# Altium PCB ReconProbe.PcbDoc (part 1 of 4)
Units mm, origin at the board's own origin, x right, y up, seen from the top; angles counter-clockwise.
Board outline 177 x 102.23 mm, 4 copper layers (Top Layer, Layer 2, Layer 3, Bottom Layer), stack 1.624 mm thick; 383 components, 277 nets, 1385 pads, 589 vias.
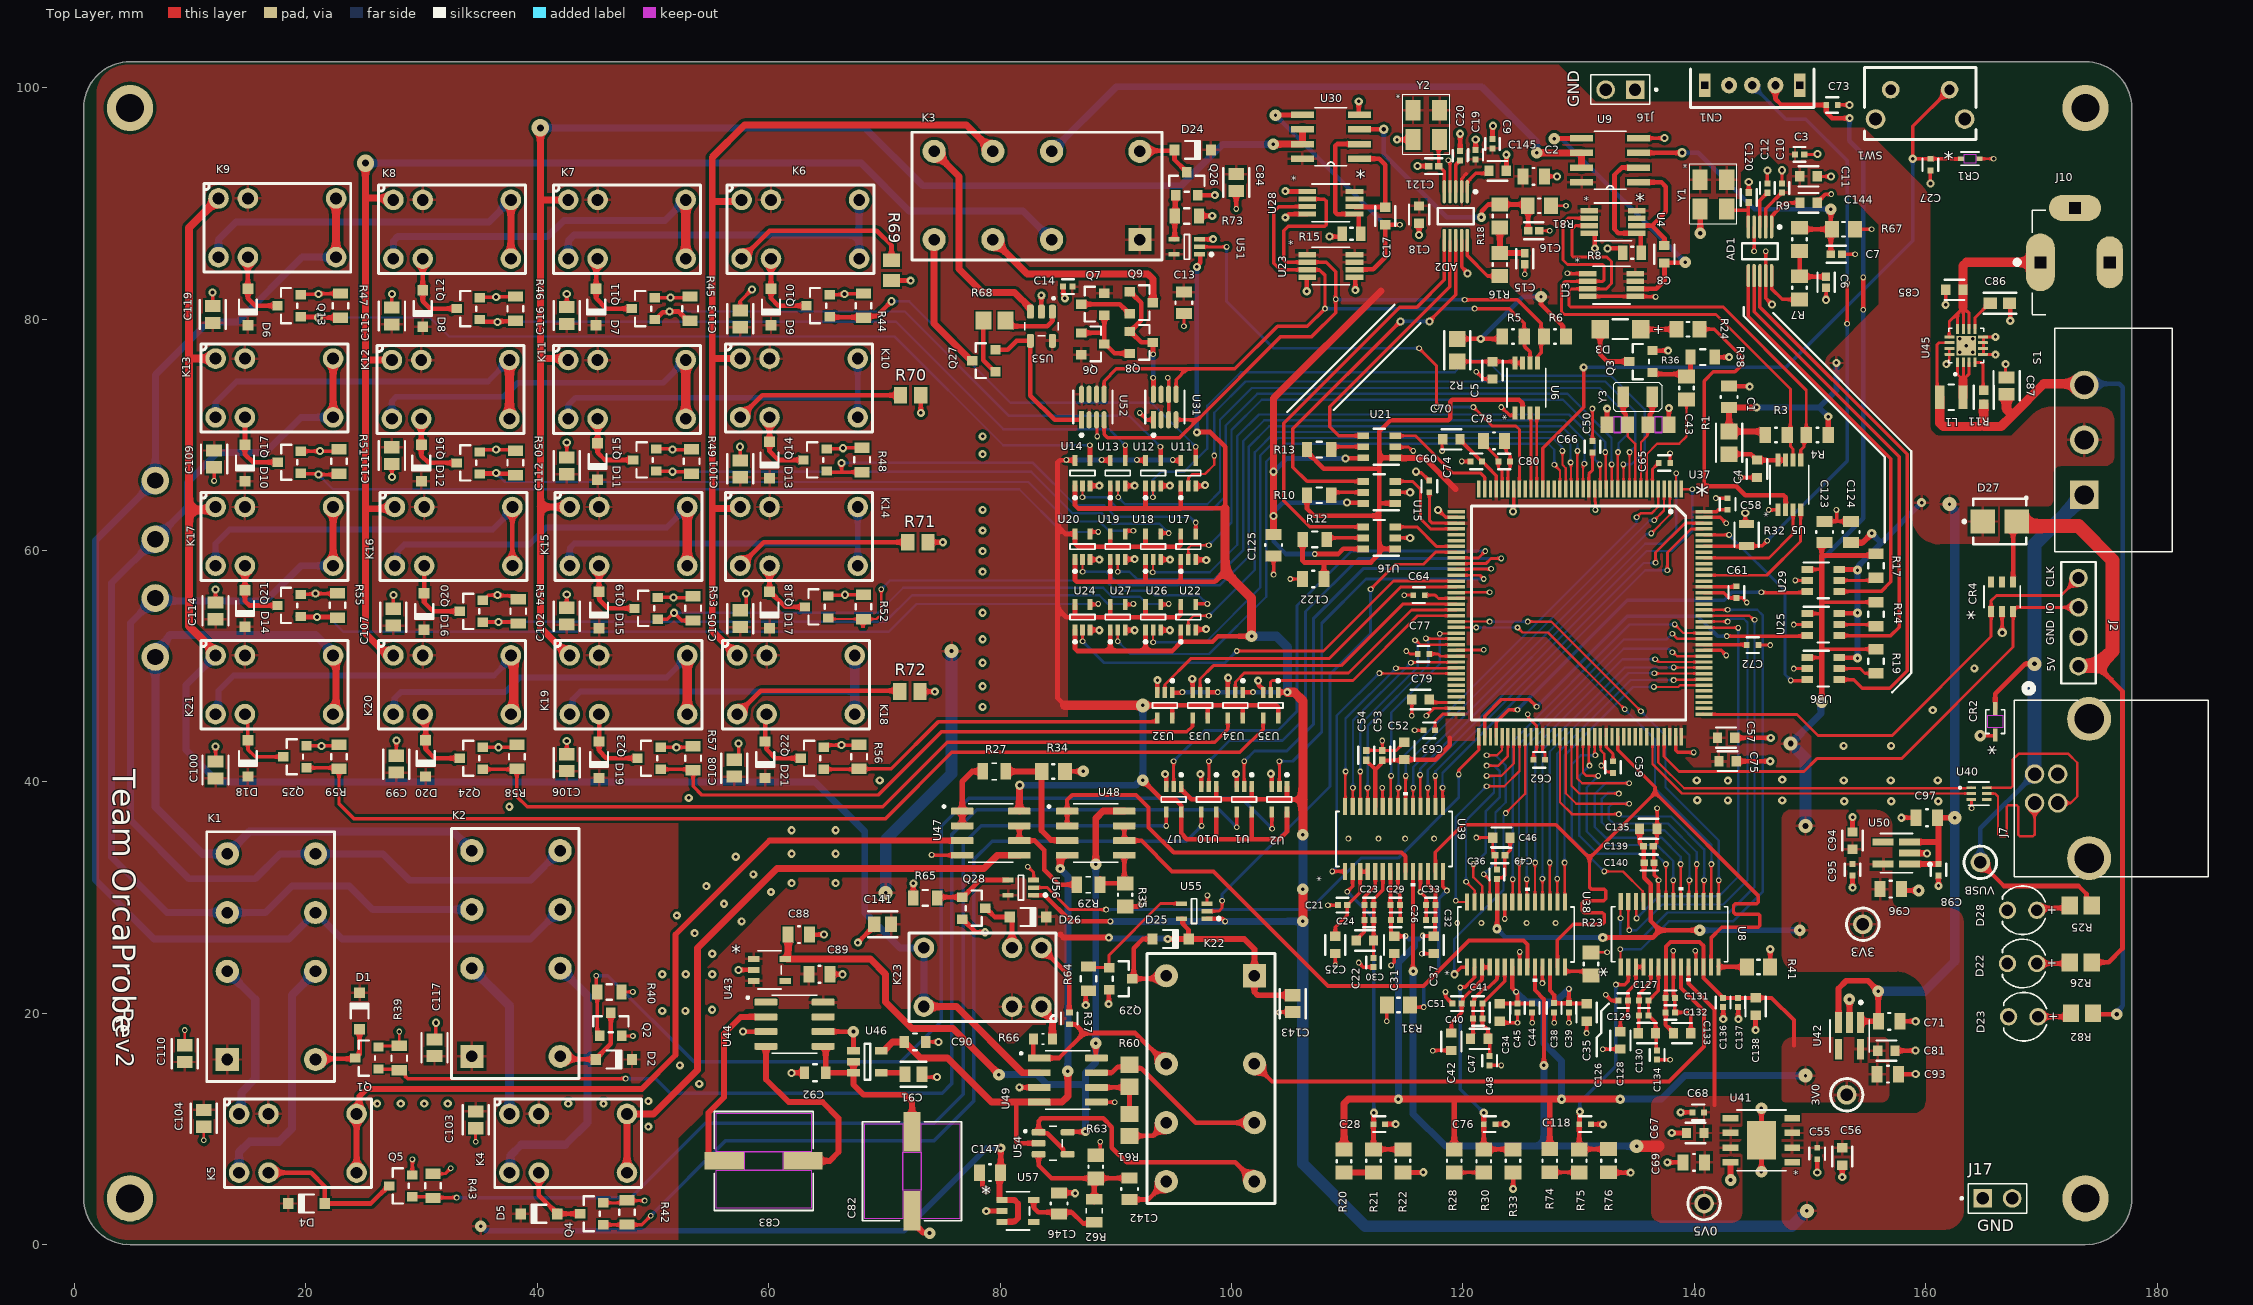
[diagram p0: Top Layer view]
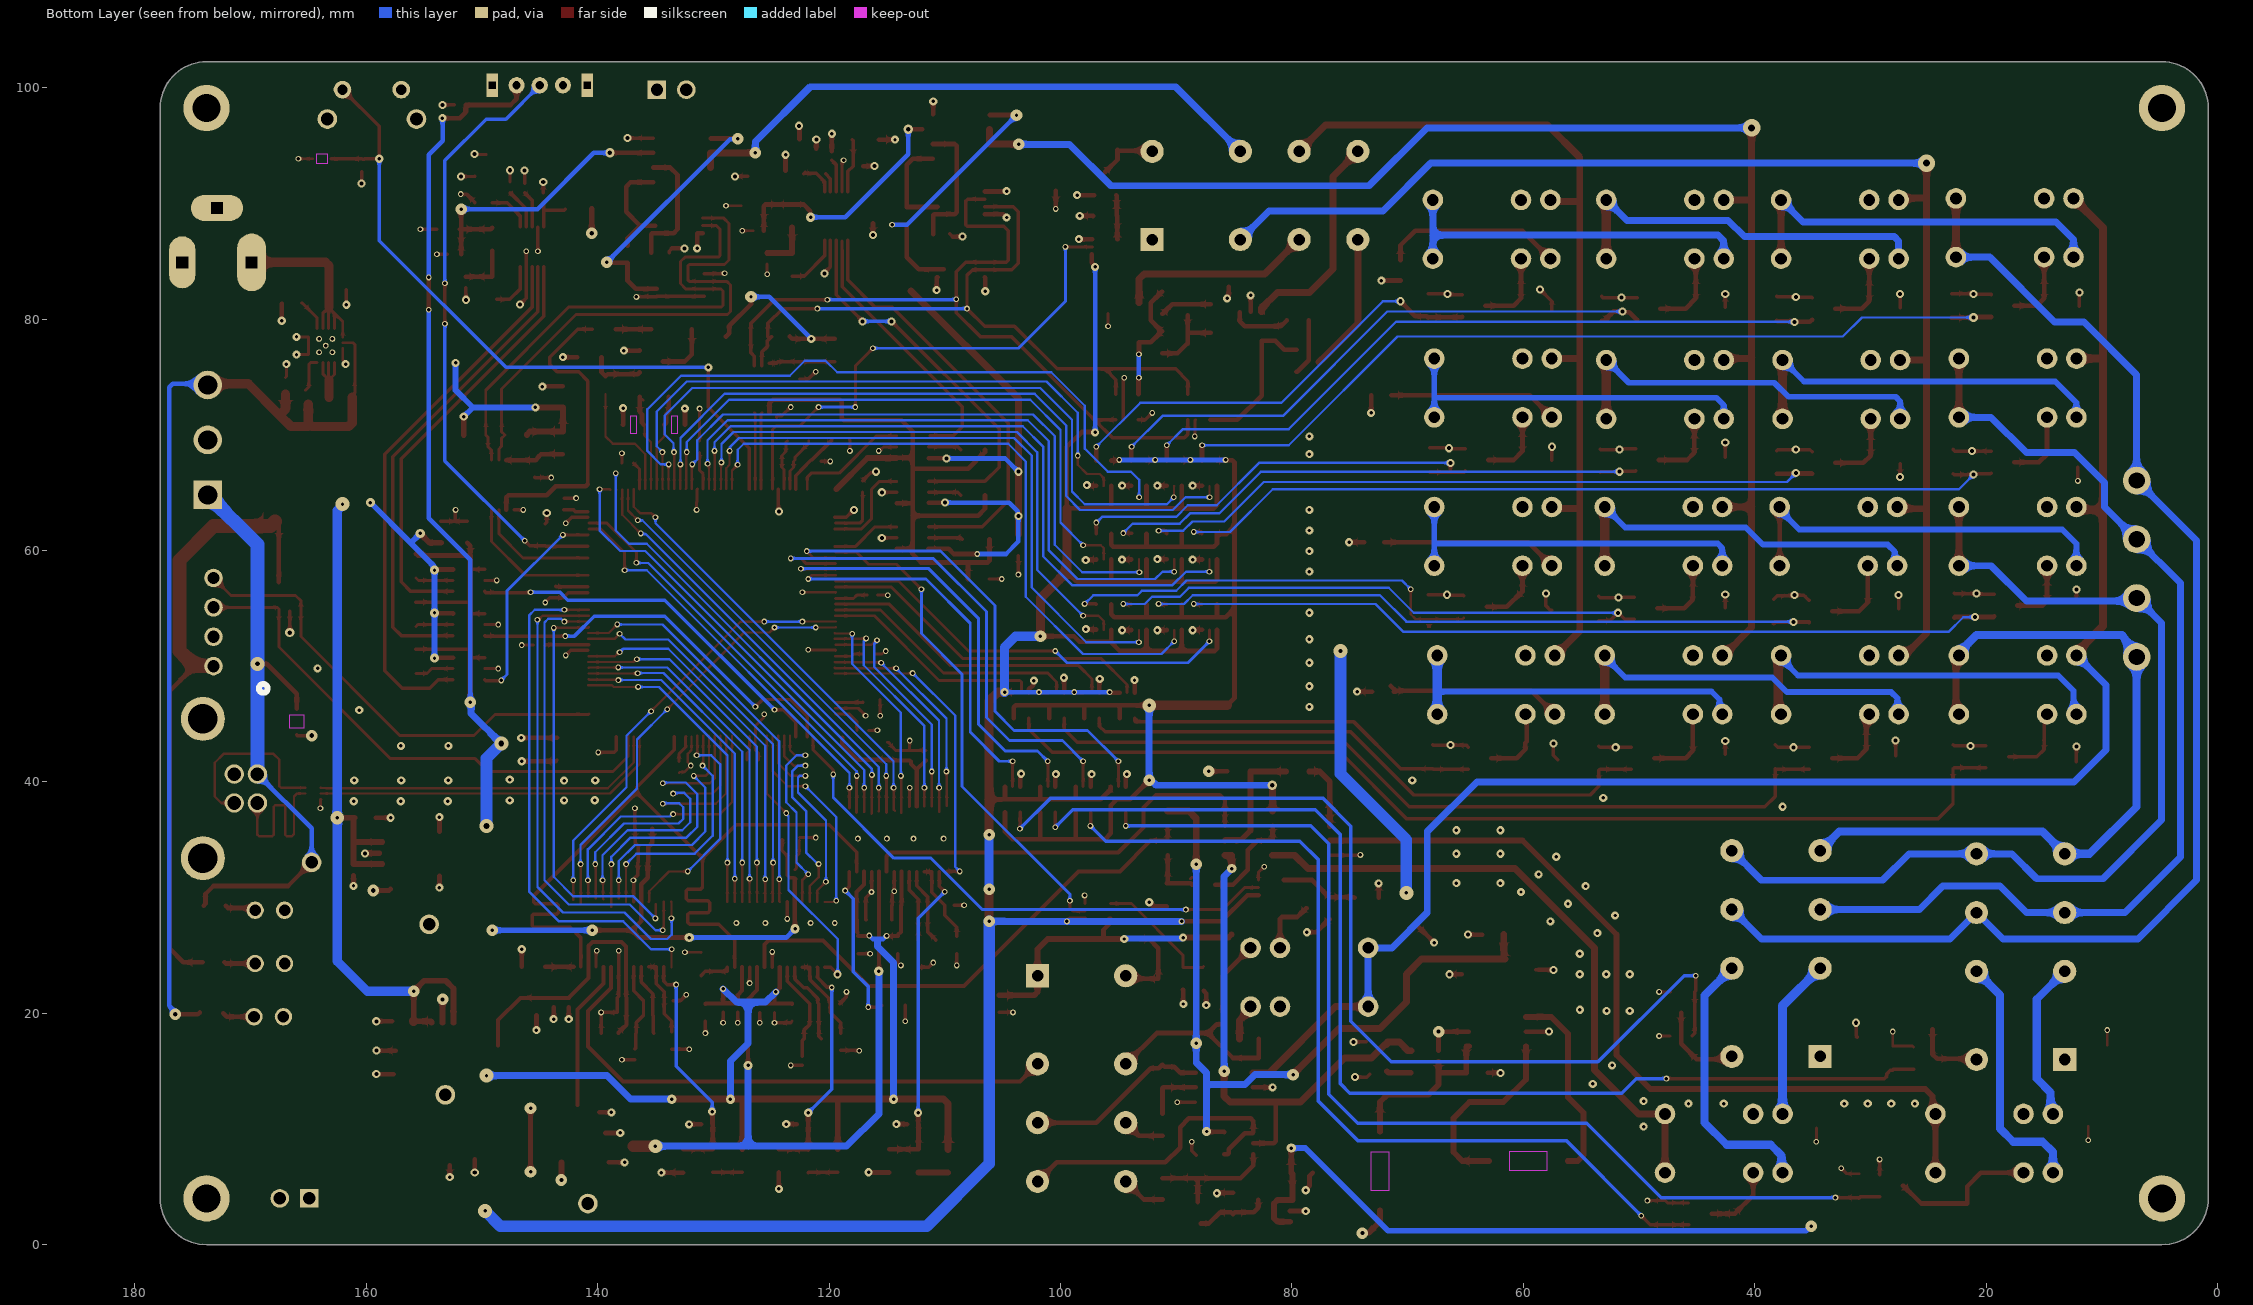
[diagram p1: Bottom Layer view, seen from below]
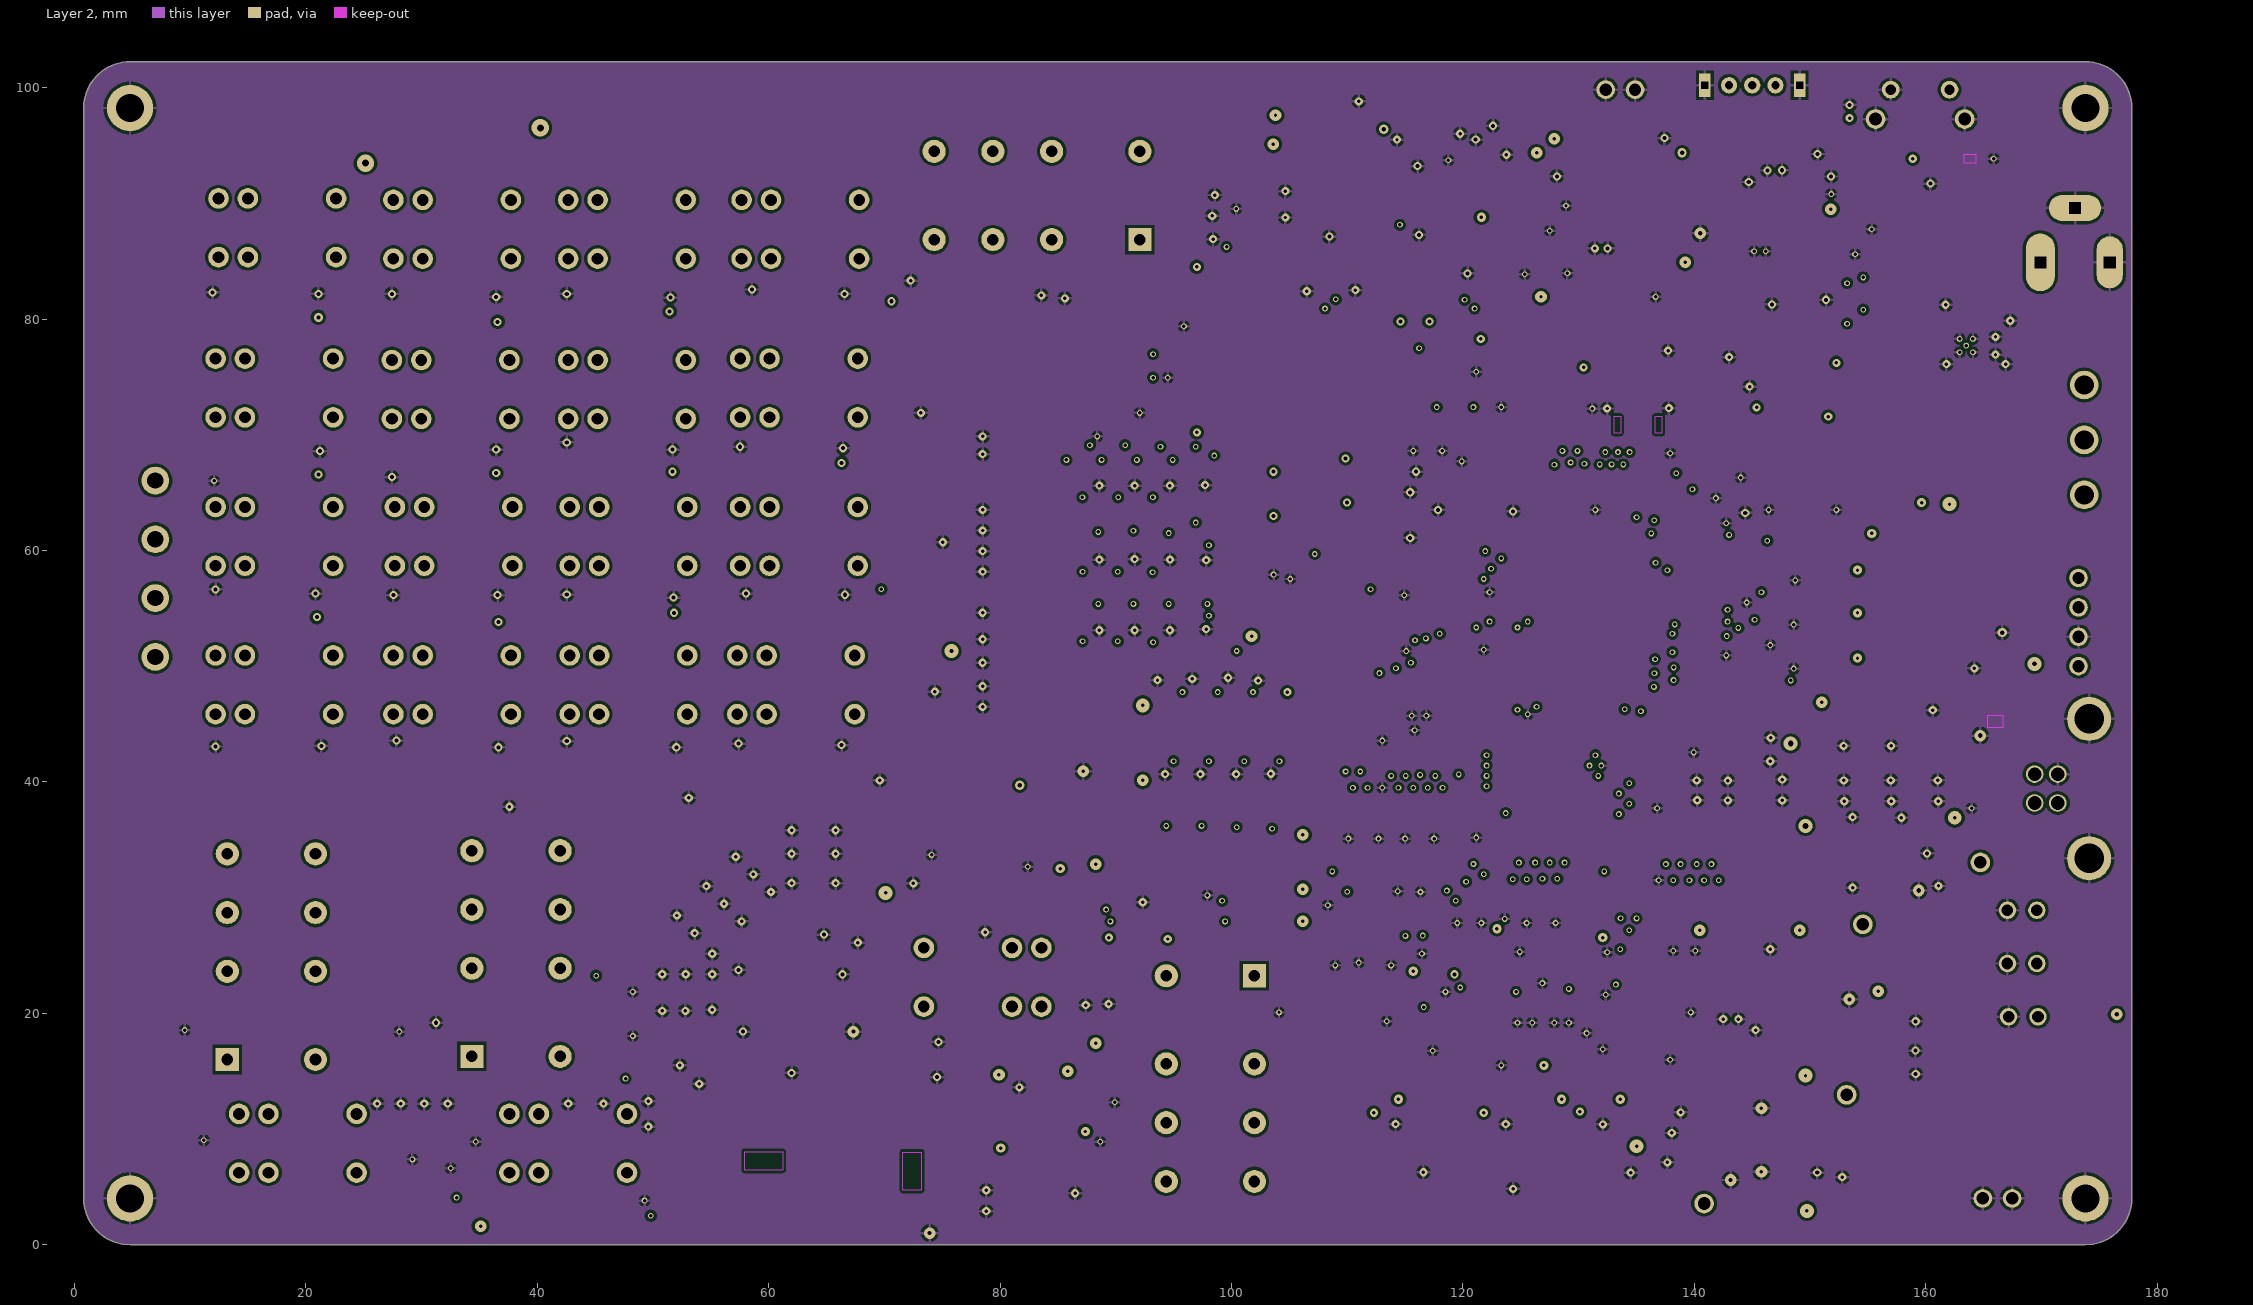
[diagram p2: Layer 2]
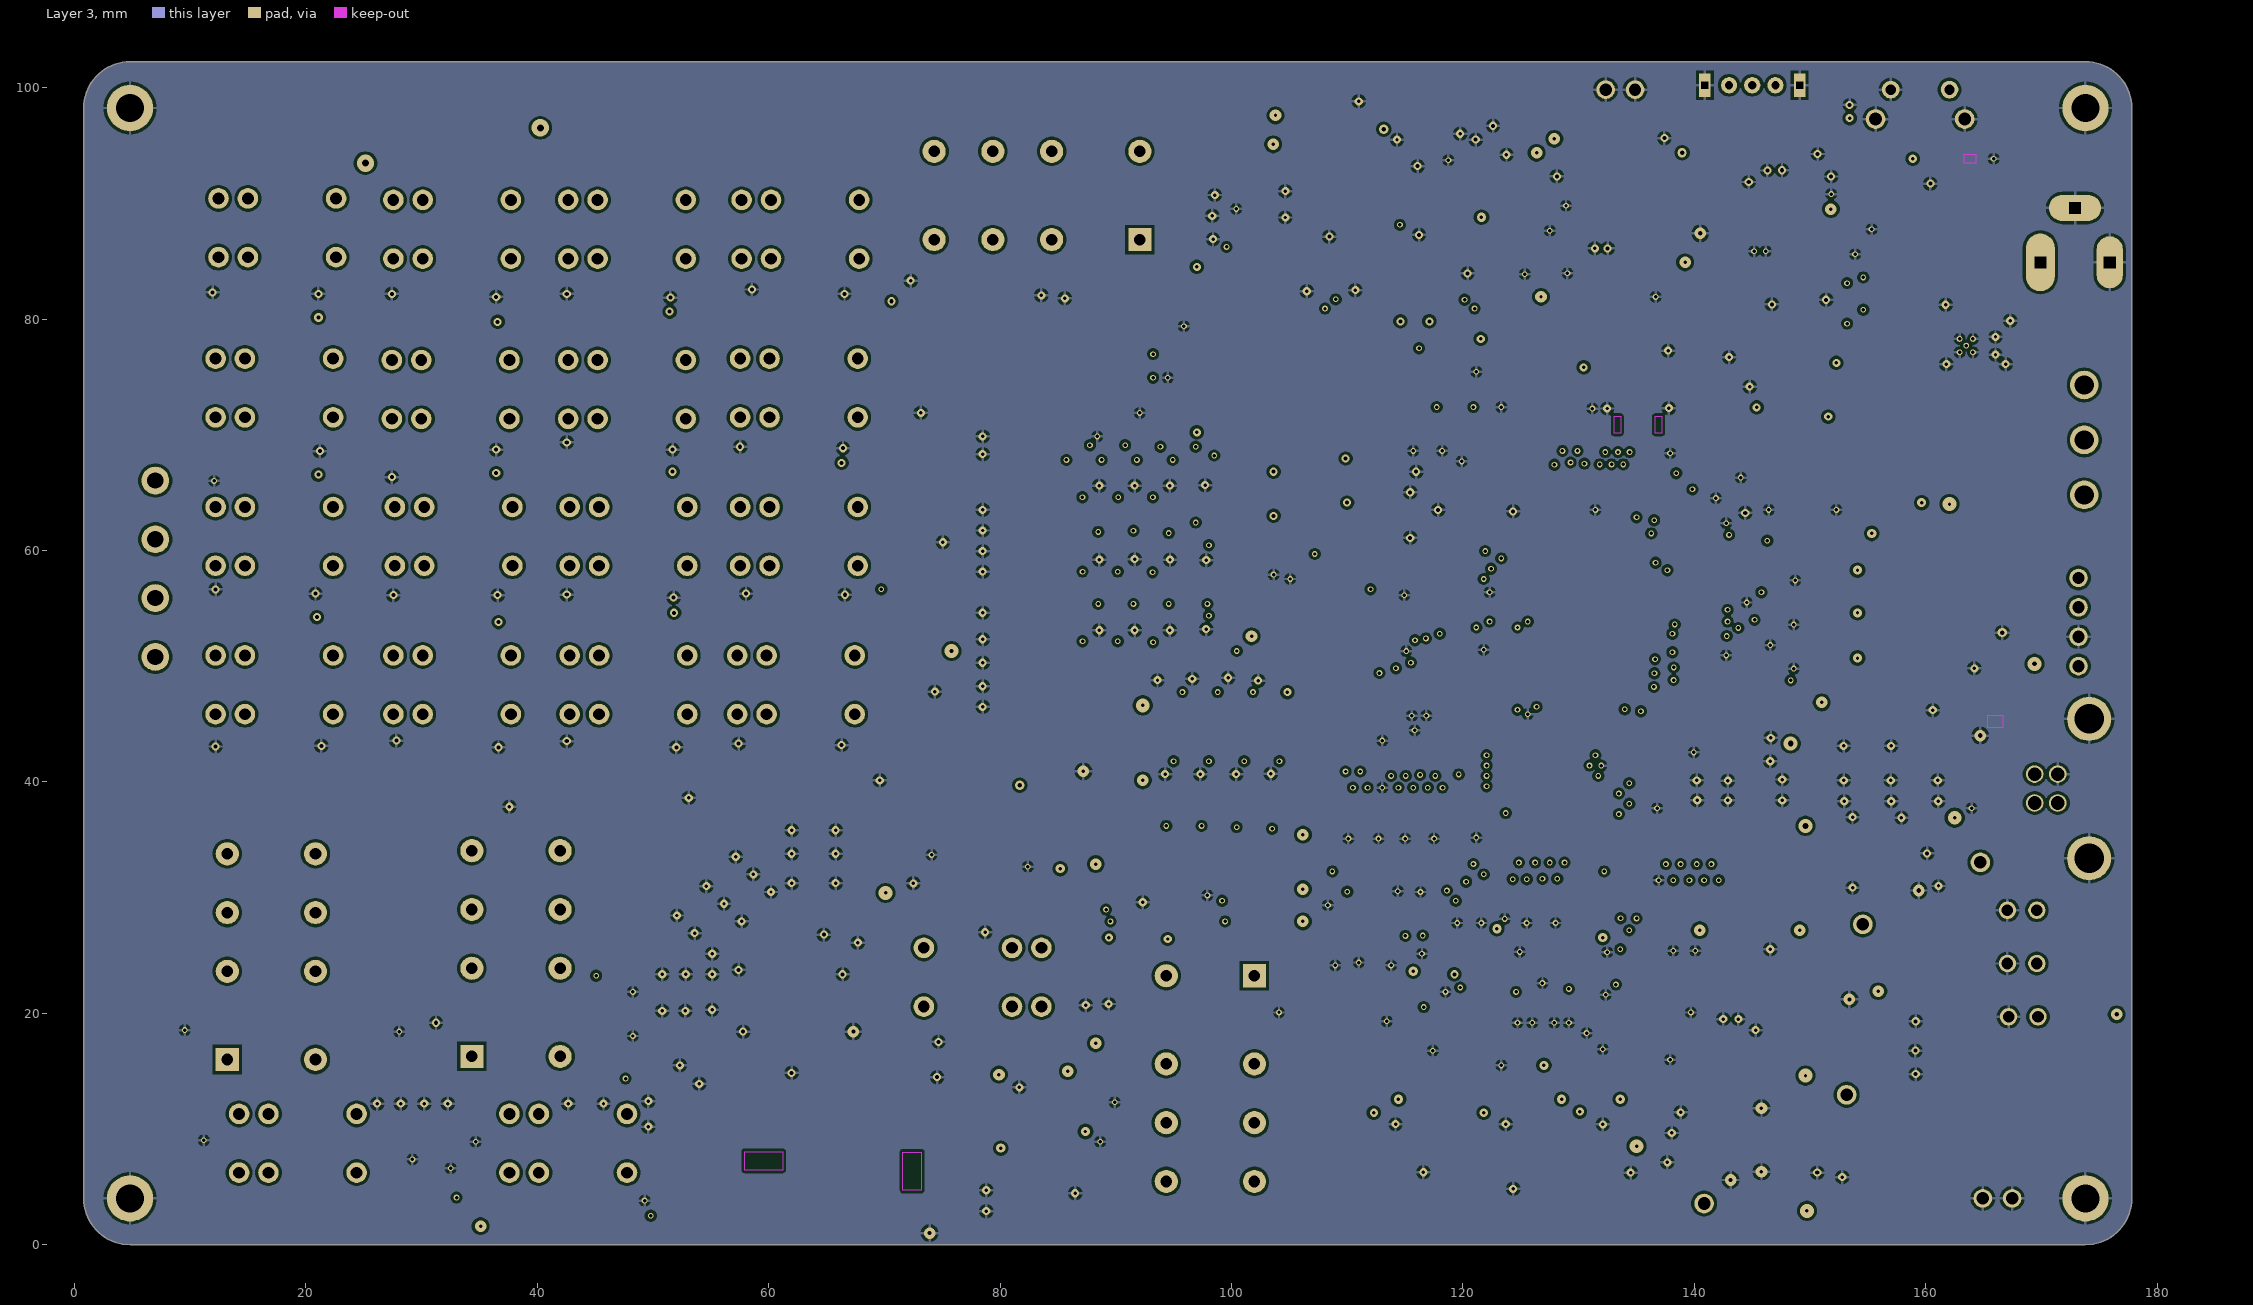
[diagram p3: Layer 3]
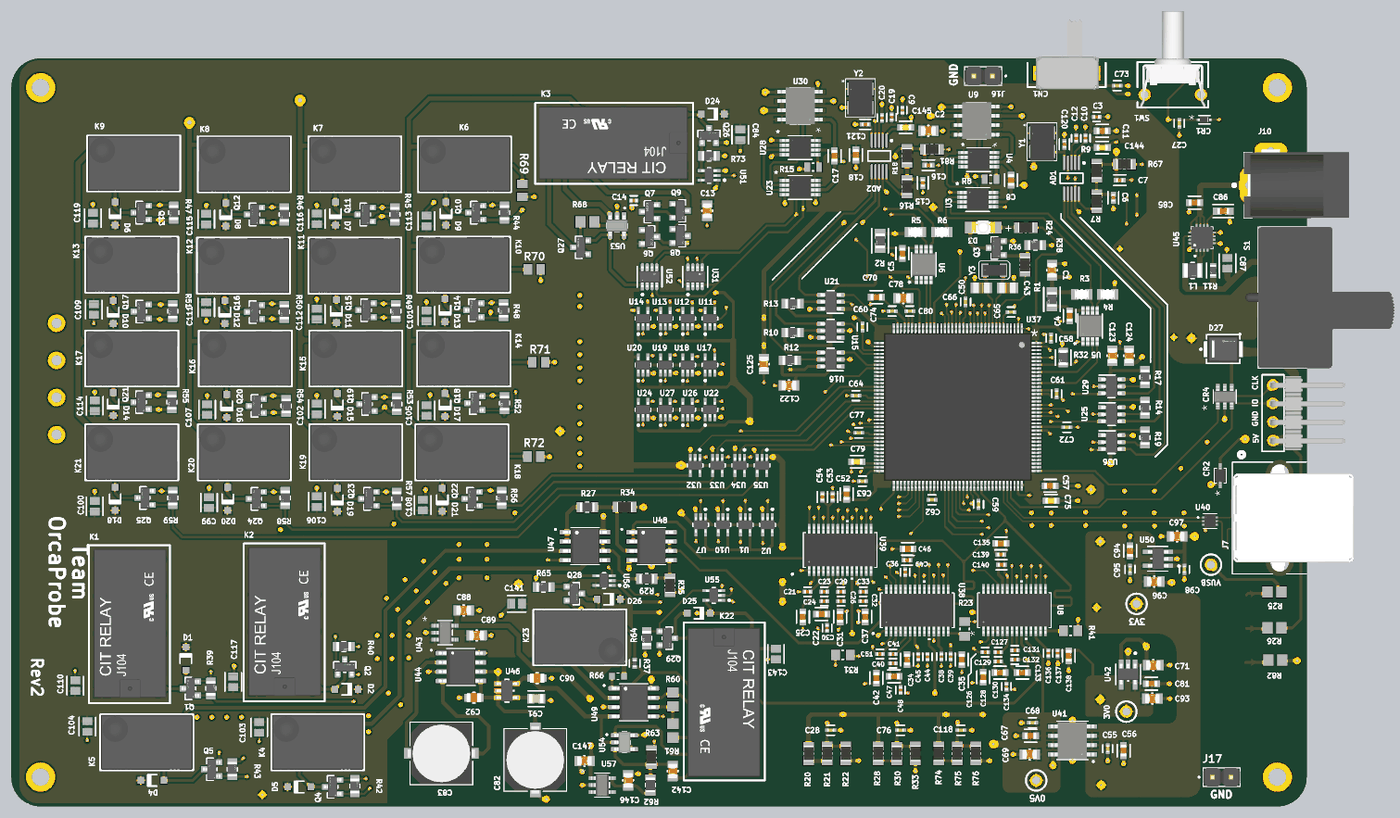
[diagram p7: 3D render of the assembled board from above, using the file's embedded part models]

## Layer stack, top to bottom
Top Solder: solder mask 0.0102, Solder Resist, Dk 3.5
Top Layer: signal copper 0.035
Dielectric 4: prepreg 0.254, PP-006, Dk 4.1
Layer 2: signal copper 0.0152
Dielectric 1: core 1.016, FR-4, Dk 4.8
Layer 3: signal copper 0.0152
Dielectric 5: prepreg 0.254, PP-006, Dk 4.1
Bottom Layer: signal copper 0.035
Bottom Solder: solder mask 0.0102, Solder Resist, Dk 3.5

## Board outline
0.8,4 0.8,98.235 cw(c4.8,98.235) 4.8,102.235 173.8,102.235 cw(c173.8,98.235) 177.8,98.235 177.8,4 cw(c173.8,4) 173.8,0 4.8,0 cw(c4.8,4)

## Design rules (kind name [scope] priority, off if disabled: settings)
Clearance [All] p1: gap=0.254 ignorepadtopadclearanceinfootprint=TRUE except(0: Arc-Hole Track-Hole SMDPad-Hole THPad-Hole Via-Hole Fill-Hole Poly-Hole Region-Hole Text-Hole; 0.15: SMDPad-Fill SMDPad-Poly SMDPad-Region; 0.2: Arc-SMDPad Track-SMDPad SMDPad-SMDPad; 0.25: Arc-Arc Arc-Track Track-Track)
DiffPairsRouting [All] p1: maxlimit=0.254 minlimit=0.254 mostfreqgap=0.254 toplayer_minwidth=0.15 toplayer_maxwidth=0.381 toplayer_prefwidth=0.381 midlayer1_minwidth=0.381 midlayer1_maxwidth=0.381 midlayer1_prefwidth=0.381 midlayer4_minwidth=0.381 midlayer4_maxwidth=0.381 midlayer4_prefwidth=0.381 bottomlayer_minwidth=0.381 bottomlayer_maxwidth=0.381 bottomlayer_prefwidth=0.381 maxuncoupledlength=12.7
HoleSize [All] p1: absolutevalues=TRUE maxlimit=6 minlimit=0.3 maxpercent=80.000 minpercent=20.000
Length "ADC2 CLK Length" [InNet('ADC2_CLK')] p1: maxlimit=16 minlimit=9
Length "ADC1 CLK Length" [InNet('ADC1_CLK')] p2: maxlimit=10 minlimit=9
MinimumAnnularRing [All] p1: minimumring=0.075
MinimumSolderMaskSliver [All] p1: minsoldermaskwidth=0.1
PolygonConnect [All] p1: connectstyle=Relief reliefconductorwidth=0.254 reliefentries=4 polygonreliefangle="90 Angle" airgapwidth=0.254
RoutingVias [All] p1: holewidth=0.4 width=1 viastyle="Through Hole" minholewidth=0.2 minwidth=0.4 maxholewidth=6 maxwidth=6
SilkToSilkClearance [All] p1: silktosilkclearance=0.2
SilkToSolderMaskClearance [IsPad] p1: minsilkscreentomaskgap=0.15 clearancetoexposedcopper=TRUE
SolderMaskExpansion [All] p1: expansion=0.102 istentingtop=FALSE
SupplyNets "Schematic Supply Nets_4" [InNet('0V5')] p1: voltage=0.000
SupplyNets "Schematic Supply Nets_1" [InNet('2V5')] p2: voltage=0.000
SupplyNets "Schematic Supply Nets" [InNet('N2V5')] p3: voltage=0.000
SupplyNets "Schematic Supply Nets_16" [InNet('3V3')] p4: voltage=0.000
SupplyNets "Schematic Supply Nets_12" [InNet('3V0')] p5: voltage=0.000
SupplyNets "Schematic Supply Nets_8" [InNet('GND')] p6: voltage=0.000
SupplyNets "Schematic Supply Nets_7" [InNet('5V')] p7: voltage=0.000
Width [All] p1: maxlimit=2 minlimit=0.2 preferedwidth=0.254
25 further rules are at their usual default settings.

## Classes and differential pairs
differential pair USB_D: +USB_D_P -USB_D_N
differential pair MCU_D: +MCU_D_P -MCU_D_N

## Components (designator, comment, footprint, x,y, rotation, side; value= is the part's Value field where it differs from the comment)
0V5 "1.10mm hole" TestPoint_1.10mm 140.843,3.556 r0 top
3V0 "1.10mm hole" TESTPOINT_1.10MM 153.162,12.954 r180 top
3V3 "1.10mm hole" TESTPOINT_1.10MM 154.559,27.686 r0 top
AD1 "AD9833BRMZ" ADI-RM-10_M 145.669,85.852 r270 top
AD2 "AD9833BRMZ" ADI-RM-10_M 119.38,88.9 r270 top
C1 "CC0805KKX7R7BB105" FP-CC0805-0_85-MFG 143.002,73.279 r90 top value="1 uF"
C2 "CC0805KKX7R7BB105" FP-CC0805-0_85-MFG 126.111,92.329 r0 top value="1 uF"
C3 "C0402C104K4RACTU" FP-C0402-BB-MFG 149.098,94.234 r0 top value=100nF
C4 "CC0603KRX5R6BB106" FP-CC0603-DC-MFG 145.415,67.056 r90 top
C5 "CC0603KRX5R6BB106" FP-CC0603-DC-MFG 122.555,75.565 r90 top
C6 "GJM1555C1H3R0WB01D" FP-GJM155-0_05-IPC_A 151.384,83.185 r270 top
C7 "GJM1555C1H3R0WB01D" FP-GJM155-0_05-IPC_A 152.273,85.598 r0 top
C8 "CC0603KRX5R6BB106" FP-CC0603-DC-MFG 137.414,85.598 r270 top
C9 "C0402C104K4RACTU" FP-C0402-BB-MFG 122.555,95.142 r90 top value=100nF
C10 "C0402C104K4RACTU" FP-C0402-BB-MFG 147.574,91.332 r90 top value=100nF
C11 "CC0603KRX5R6BB106" FP-CC0603-DC-MFG 149.86,92.329 r0 top
C12 "C0402C104K4RACTU" FP-C0402-BB-MFG 146.304,91.313 r90 top value=100nF
C13 "CC0805KKX7R7BB105" FP-CC0805-0_85-MFG 95.885,81.407 r90 top value="1 uF"
C14 "C0402C104K4RACTU" FP-C0402-BB-MFG 85.852,82.804 r180 top value=100nF
C15 "GJM1555C1H3R0WB01D" FP-GJM155-0_05-IPC_A 125.349,85.217 r270 top
C16 "GJM1555C1H3R0WB01D" FP-GJM155-0_05-IPC_A 126.111,87.63 r0 top
C17 "CC0603KRX5R6BB106" FP-CC0603-DC-MFG 113.284,88.9 r270 top
C18 "CC0603KRX5R6BB106" FP-CC0603-DC-MFG 116.205,89.027 r270 top
C19 "C0402C104K4RACTU" FP-C0402-BB-MFG 121.1,94.2 r90 top value=100nF
C20 "C0402C104K4RACTU" FP-C0402-BB-MFG 119.761,94.107 r90 top value=100nF
C21 "C0402C104K4RACTU" FP-C0402-BB-MFG 109.601,29.337 r180 top value=100nF
C22 "CC0603KRX5R6BB106" FP-CC0603-DC-MFG 111.518,26.289 r0 top
C23 "C0402C104K4RACTU" FP-C0402-BB-MFG 111.887,29.337 r0 top value=100nF
C24 "C0402C104K4RACTU" FP-C0402-BB-MFG 111.887,28.067 r0 top value=100nF
C25 "CC0603KRX5R6BB106" FP-CC0603-DC-MFG 108.966,25.908 r270 top
C26 "C0402C104K4RACTU" FP-C0402-BB-MFG 114.173,28.067 r0 top value=100nF
C27 "CC0402KRX7R7BB104" FP-CC0402-MFG 160.401,93.345 r270 top value="100 nF"
C28 "CC0402KRX7R7BB104" FP-CC0402-MFG 112.768,10.414 r0 top value="100 nF"
C29 "C0402C104K4RACTU" FP-C0402-BB-MFG 114.154,29.337 r0 top value=100nF
C30 "C0402C104K4RACTU" FP-C0402-BB-MFG 112.268,24.384 r270 top value=100nF
C31 "CC0603KRX5R6BB106" FP-CC0603-DC-MFG 114.046,25.908 r270 top
C32 "C0402C104K4RACTU" FP-C0402-BB-MFG 117.202,28.067 r180 top value=100nF
C33 "C0402C104K4RACTU" FP-C0402-BB-MFG 117.221,29.337 r180 top value=100nF
C34 "CC0603KRX5R6BB106" FP-CC0603-DC-MFG 123.19,20.066 r270 top
C35 "CC0603KRX5R6BB106" FP-CC0603-DC-MFG 130.683,20.066 r270 top
C36 "C0402C104K4RACTU" FP-C0402-BB-MFG 122.936,32.004 r90 top value="0.10 μF"
C37 "CC0603KRX5R6BB106" FP-CC0603-DC-MFG 117.475,25.908 r270 top
C38 "C0402C104K4RACTU" FP-C0402-BB-MFG 127.889,20.466 r270 top value="0.10 μF"
C39 "C0402C104K4RACTU" FP-C0402-BB-MFG 129.159,20.466 r270 top value="0.10 μF"
C40 "C0402C104K4RACTU" FP-C0402-BB-MFG 121.285,19.558 r0 top value=100nF
C41 "C0402C104K4RACTU" FP-C0402-BB-MFG 121.285,20.828 r0 top value="0.10 μF"
C42 "CC0603KRX5R6BB106" FP-CC0603-DC-MFG 118.999,17.538 r270 top
C43 "CC0805CRNPO9BN4R0" CAP_CC0805_YAG 136.906,70.866 r0 top
C44 "C0402C104K4RACTU" FP-C0402-BB-MFG 125.984,20.447 r270 top value="0.10 μF"
C45 "C0402C104K4RACTU" FP-C0402-BB-MFG 124.714,20.447 r270 top value="0.10 μF"
C46 "CC0603KRX5R6BB106" FP-CC0603-DC-MFG 123.317,35.179 r180 top
C47 "CC0603KRX5R6BB106" FP-CC0603-DC-MFG 121.412,17.78 r0 top
C48 "C0402C104K4RACTU" FP-C0402-BB-MFG 122.301,15.894 r270 top value="0.10 μF"
C49 "GRM1555C1H102JA01D" FP-GRM155-0_05-IPC_B 123.19,33.655 r180 top
C50 "CC0805CRNPO9BN4R0" CAP_CC0805_YAG 133.342,70.866 r180 top
C51 "C0402C104K4RACTU" FP-C0402-BB-MFG 119.488,20.828 r180 top value="0.10 μF"
C52 "CC0603KRX5R6BB106" FP-CC0603-DC-MFG 114.935,42.672 r90 top
C53 "GRM1555C1H102JA01D" FP-GRM155-0_05-IPC_B 113.03,42.291 r90 top
C54 "GRM1555C1H102JA01D" FP-GRM155-0_05-IPC_B 111.633,42.291 r90 top
C55 "CC0402KRX7R7BB104" FP-CC0402-MFG 150.622,7.874 r270 top value="100 nF"
C56 "CC0603KRX5R6BB106" FP-CC0603-DC-MFG 152.781,7.62 r90 top
C57 "CC0603KRX5R6BB106" FP-CC0603-DC-MFG 142.748,43.815 r0 top
C58 "CC0402KRX7R7BB104" FP-CC0402-MFG 142.875,64.008 r90 top value="100 nF"
C59 "CC0402KRX7R7BB104" FP-CC0402-MFG 132.969,41.275 r270 top value="100 nF"
C60 "CC0402KRX7R7BB104" FP-CC0402-MFG 117.094,65.532 r90 top value="100 nF"
C61 "CC0402KRX7R7BB104" FP-CC0402-MFG 143.637,56.396 r270 top value="100 nF"
C62 "CC0402KRX7R7BB104" FP-CC0402-MFG 126.6,41.9 r180 top value="100 nF"
C63 "CC0402KRX7R7BB104" FP-CC0402-MFG 117.094,44.45 r180 top value="100 nF"
C64 "CC0402KRX7R7BB104" FP-CC0402-MFG 116.197,56.134 r180 top value="100 nF"
C65 "CC0402KRX7R7BB104" FP-CC0402-MFG 137.414,67.564 r0 top value="100 nF"
C66 "CC0402KRX7R7BB104" FP-CC0402-MFG 131.191,68.961 r90 top value="100 nF"
C67 "CC0603KRX5R6BB106" FP-CC0603-DC-MFG 140.081,9.652 r0 top
C68 "CC0402KRX7R7BB104" FP-CC0402-MFG 140.335,11.43 r180 top value="100 nF"
C69 "CC0805KKX7R7BB105" FP-CC0805-0_85-MFG 139.954,7.112 r0 top value="1 uF"
C70 "CC0603KRX5R6BB106" FP-CC0603-DC-MFG 118.999,69.596 r0 top
C71 "CC0805KKX7R7BB105" FP-CC0805-0_85-MFG 156.845,19.304 r180 top value="1 uF"
C72 "CC0402KRX7R7BB104" FP-CC0402-MFG 145.034,51.816 r0 top value="100 nF"
C73 "CC0402KRX7R7BB104" FP-CC0402-MFG 151.9,98.5 r0 top value="100 nF"
C74 "CC0402KRX7R7BB104" FP-CC0402-MFG 121.158,67.691 r180 top value="100 nF"
C75 "CC0603KRX5R7BB475" FP-CC0603-DA-MFG 142.875,41.783 r0 top value="4.7 uF"
C76 "CC0402KRX7R7BB104" FP-CC0402-MFG 122.301,10.414 r0 top value="100 nF"
C77 "CC0402KRX7R7BB104" FP-CC0402-MFG 116.586,51.054 r180 top value="100 nF"
C78 "CC0805KKX7R7BB105" FP-CC0805-0_85-MFG 122.682,69.469 r180 top value="1 uF"
C79 "CC0603KRX5R7BB475" FP-CC0603-DA-MFG 116.332,47.117 r180 top value="4.7 uF"
C80 "CC0402KRX7R7BB104" FP-CC0402-MFG 123.571,67.691 r0 top value="100 nF"
C81 "CC0603KRX5R6BB106" FP-CC0603-DC-MFG 156.591,16.764 r180 top
C82 "RHA1C151MCN1GS" CAP_RHAHS_8X6P7_NCH 72.39,6.35 r90 top